# KiCad board sizif128.kicad_pcb (continued)
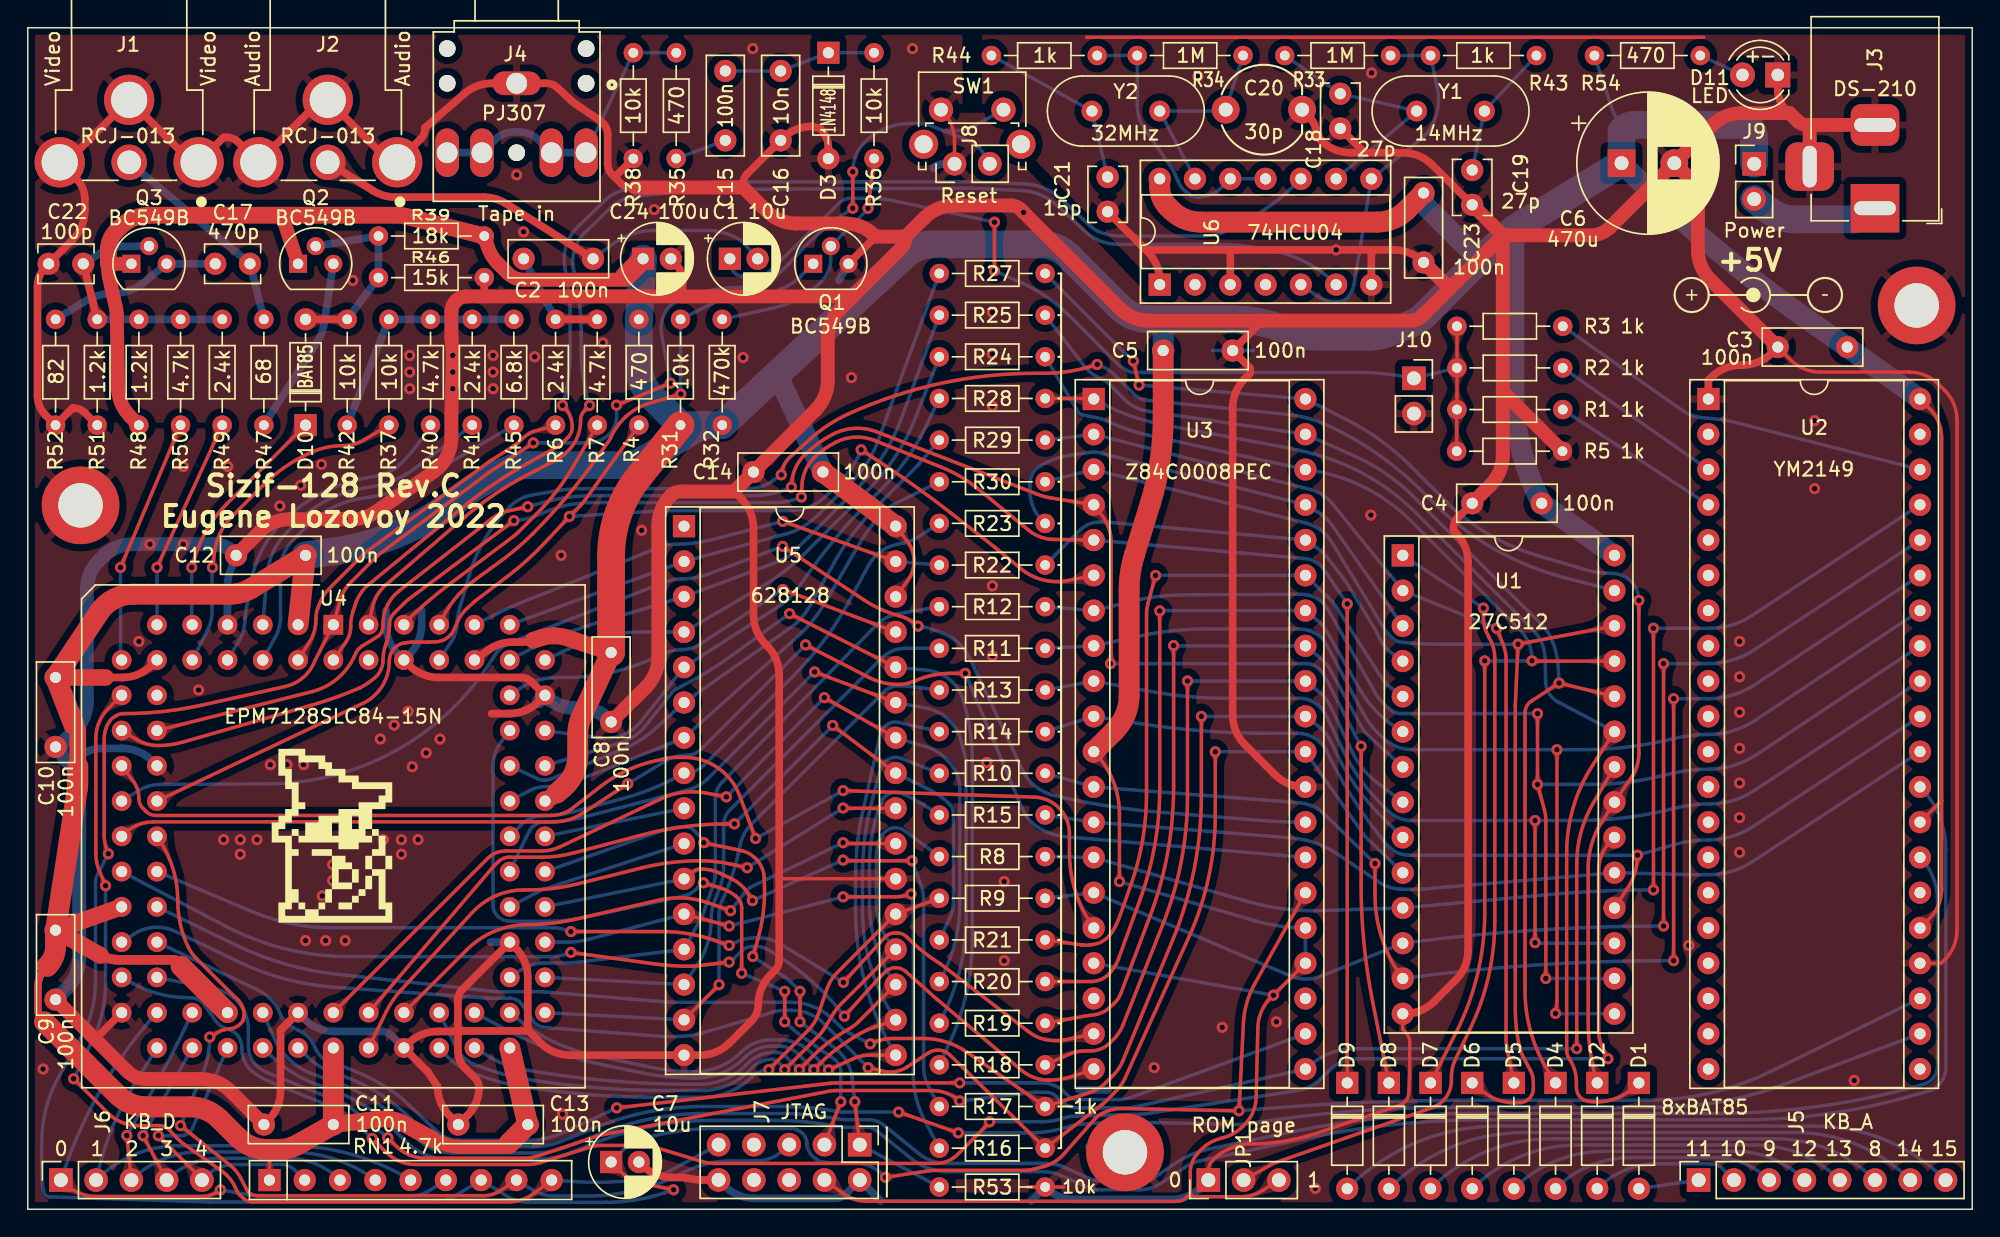
[diagram p0: board, top side]
## Copper pours and planes (outline as drawn; the poured copper is in the pictures) (continued)
nRST on Bottom: 67.47,76.94 67.72,76.82 67.91,76.7 68.06,76.57 68.17,76.42 68.25,76.26 68.31,76.09 68.35,75.9 68.37,75.69 68.42,75.21 69.49,74.94 69.58,76.09 69.32,76.2 69.11,76.3 68.93,76.41 68.77,76.51 68.62,76.61 68.46,76.71 68.29,76.82 68.09,76.93 67.85,77.05 67.56,77.17
nRST on Bottom: 37.59,55.32 37.45,55.33 37.32,55.33 37.22,55.34 37.12,55.35 37.04,55.37 36.95,55.39 36.87,55.42 36.78,55.46 36.69,55.51 36.57,55.56 36.2,55.2 36.57,54.84 36.69,54.89 36.78,54.94 36.87,54.98 36.95,55.01 37.04,55.03 37.12,55.05 37.22,55.06 37.32,55.07 37.45,55.07 37.59,55.07
nRST on Bottom: 59.51,75.95 59.45,75.8 59.32,75.48 59.29,75.4 59.25,75.31 59.21,75.23 59.17,75.14 59.12,75.04 59.05,74.92 59.39,74.52 59.77,74.88 59.73,74.99 59.69,75.08 59.66,75.17 59.64,75.26 59.63,75.34 59.63,75.42 59.64,75.51 59.66,75.61 59.69,75.72 59.74,75.85
nRST on Bottom: 44.24,5.2 43.89,5.1 43.6,5 43.36,4.89 43.15,4.78 42.96,4.67 42.78,4.57 42.58,4.46 42.37,4.36 42.11,4.27 41.8,4.17 41.72,3.12 42.76,3.14 42.85,3.42 42.94,3.68 43.02,3.91 43.12,4.12 43.22,4.31 43.36,4.48 43.52,4.62 43.73,4.75 43.99,4.87 44.3,4.96
nRST on Bottom: 29.22,0.4 29.7,0.43 30.11,0.5 30.45,0.6 30.74,0.72 31.01,0.85 31.28,0.98 31.55,1.1 31.86,1.2 32.22,1.27 32.65,1.3 32.98,2.31 31.97,2.54 31.74,2.19 31.54,1.87 31.34,1.59 31.13,1.34 30.92,1.14 30.68,0.97 30.4,0.83 30.07,0.73 29.68,0.67 29.22,0.65
nRST on Bottom: 58.29,71.2 58.44,71.3 58.56,71.39 58.67,71.46 58.77,71.51 58.86,71.56 58.96,71.6 59.06,71.63 59.18,71.66 59.3,71.68 59.45,71.7 59.57,72.21 59.06,72.3 58.98,72.17 58.9,72.06 58.83,71.97 58.76,71.89 58.69,71.82 58.61,71.74 58.52,71.67 58.41,71.59 58.15,71.4
nRST on Bottom: 35.99,0.63 35.54,0.66 35.16,0.72 34.83,0.82 34.56,0.96 34.33,1.13 34.12,1.34 33.92,1.58 33.73,1.86 33.53,2.18 33.32,2.53 32.3,2.31 32.62,1.3 33.04,1.27 33.39,1.19 33.69,1.09 33.97,0.97 34.22,0.84 34.49,0.71 34.78,0.59 35.11,0.49 35.51,0.41 35.98,0.38
nRST on Bottom: 60.75,2.92 60.87,2.85 60.97,2.79 61.05,2.73 61.12,2.67 61.17,2.6 61.22,2.53 61.26,2.46 61.3,2.37 61.33,2.27 61.38,2.16 61.9,2.16 61.87,2.68 61.75,2.72 61.64,2.76 61.55,2.8 61.46,2.83 61.38,2.87 61.3,2.91 61,3.07 60.86,3.14
nRST on Bottom: 88.39,7.32 88.24,7.31 88.12,7.3 88.01,7.3 87.92,7.31 87.83,7.32 87.75,7.33 87.66,7.36 87.57,7.38 87.47,7.42 87.35,7.46 87.01,7.07 87.42,6.75 87.52,6.81 87.62,6.87 87.7,6.91 87.78,6.95 87.86,6.98 87.95,7 88.04,7.03 88.14,7.04 88.27,7.06 88.41,7.07
nRST on Bottom: 134.15,14.02 134.41,14.14 134.64,14.23 134.84,14.3 135.03,14.35 135.2,14.37 135.38,14.39 135.56,14.39 135.76,14.39 135.98,14.38 136.24,14.38 136.6,15.36 135.61,15.67 135.45,15.47 135.32,15.29 135.2,15.13 135.08,14.99 134.97,14.86 134.84,14.74 134.69,14.62 134.51,14.5 134.3,14.38 134.04,14.24
nRST on Bottom: 45.09,0.82 45.28,0.87 45.43,0.92 45.57,0.95 45.69,0.98 45.8,1.01 45.91,1.02 46.03,1.03 46.15,1.03 46.29,1.02 46.45,1 46.69,1.46 46.22,1.69 46.1,1.58 46,1.48 45.9,1.41 45.81,1.34 45.71,1.29 45.61,1.24 45.5,1.2 45.36,1.16 45.21,1.11 45.03,1.07
nRST on Bottom: 5.36,24.49 5.43,24.61 5.49,24.72 5.55,24.81 5.6,24.89 5.66,24.96 5.72,25.02 5.78,25.08 5.85,25.14 5.94,25.2 6.04,25.28 5.89,25.78 5.4,25.61 5.4,25.49 5.39,25.38 5.38,25.28 5.37,25.2 5.36,25.11 5.33,25.03 5.3,24.94 5.26,24.84 5.2,24.73 5.14,24.6
nVRD on Top: 59.9,29 59.76,29.01 59.63,29.01 59.53,29.02 59.43,29.03 59.35,29.05 59.27,29.07 59.18,29.1 59.1,29.14 59,29.19 58.89,29.25 58.5,28.91 58.86,28.53 58.97,28.58 59.07,28.62 59.17,28.66 59.25,28.69 59.34,28.71 59.42,28.73 59.52,28.74 59.63,28.75 59.75,28.75 59.9,28.75
nVRD on Top: 60.1,28.75 60.39,28.75 60.64,28.73 60.85,28.7 61.03,28.66 61.2,28.61 61.36,28.55 61.53,28.47 61.71,28.38 61.91,28.28 62.14,28.16 62.89,28.88 62.14,29.6 61.91,29.48 61.71,29.38 61.53,29.29 61.36,29.21 61.2,29.15 61.03,29.1 60.85,29.06 60.64,29.03 60.39,29.01 60.1,29
nVRD on Top: 25.36,13.59 25.24,13.36 25.13,13.17 25.03,13.01 24.93,12.88 24.82,12.76 24.71,12.65 24.58,12.55 24.44,12.44 24.28,12.32 24.1,12.18 24.38,11.3 25.25,11.62 25.25,11.85 25.25,12.05 25.25,12.23 25.25,12.39 25.26,12.54 25.29,12.7 25.33,12.86 25.39,13.04 25.48,13.25 25.59,13.48
nVRD on Bottom: 52.74,25.34 52.62,25.26 52.51,25.2 52.42,25.15 52.33,25.11 52.25,25.08 52.17,25.06 52.08,25.04 51.99,25.02 51.88,25.01 51.76,25 51.63,24.49 52.14,24.39 52.2,24.49 52.26,24.58 52.32,24.66 52.37,24.73 52.43,24.79 52.49,24.85 52.57,24.91 52.65,24.98 52.75,25.05 52.88,25.12
nVRD on Bottom: 57.76,28.16 57.88,28.24 57.99,28.3 58.08,28.35 58.17,28.39 58.25,28.42 58.33,28.44 58.42,28.46 58.51,28.48 58.62,28.49 58.74,28.5 58.87,29.01 58.36,29.11 58.3,29.01 58.24,28.92 58.18,28.84 58.13,28.77 58.07,28.71 58.01,28.65 57.93,28.59 57.85,28.52 57.75,28.45 57.62,28.38
nVWR on Top: 55.52,44.34 55.39,44.39 55.27,44.43 55.18,44.48 55.09,44.52 55.02,44.57 54.95,44.62 54.88,44.68 54.81,44.75 54.74,44.82 54.65,44.91 54.18,44.71 54.4,44.24 54.52,44.25 54.63,44.26 54.73,44.26 54.81,44.26 54.9,44.25 54.99,44.24 55.08,44.22 55.18,44.19 55.3,44.15 55.43,44.1
nVWR on Top: 60.21,42.3 60.48,42.2 60.71,42.09 60.89,41.99 61.05,41.89 61.19,41.78 61.32,41.66 61.45,41.53 61.58,41.39 61.73,41.22 61.91,41.03 62.86,41.44 62.42,42.38 62.16,42.35 61.93,42.32 61.74,42.3 61.55,42.29 61.38,42.29 61.2,42.3 61.02,42.32 60.81,42.37 60.57,42.44 60.3,42.54
nVWR on Bottom: 53.44,43.88 53.56,43.96 53.67,44.02 53.76,44.07 53.84,44.11 53.92,44.14 54.01,44.17 54.09,44.19 54.19,44.21 54.29,44.22 54.42,44.24 54.53,44.75 54.02,44.84 53.96,44.74 53.9,44.64 53.85,44.56 53.79,44.49 53.74,44.43 53.68,44.37 53.6,44.3 53.52,44.24 53.42,44.17 53.3,44.09
nVWR on Bottom: 36.6,38.2 36.33,38.11 36.1,38.04 35.9,37.98 35.73,37.93 35.57,37.89 35.41,37.86 35.24,37.82 35.06,37.79 34.85,37.76 34.6,37.72 34.41,36.82 35.31,36.66 35.43,36.86 35.53,37.04 35.62,37.2 35.71,37.35 35.81,37.47 35.93,37.59 36.06,37.69 36.23,37.78 36.43,37.87 36.67,37.96
nWR on Top: 65.91,8.97 66.05,8.97 66.18,8.97 66.28,8.96 66.38,8.95 66.46,8.93 66.55,8.91 66.63,8.88 66.72,8.84 66.81,8.79 66.93,8.74 67.3,9.1 66.93,9.46 66.81,9.41 66.72,9.36 66.63,9.32 66.55,9.29 66.46,9.27 66.38,9.25 66.28,9.24 66.18,9.23 66.05,9.23 65.91,9.22
nWR on Bottom: 41.37,6.69 41.5,6.75 41.62,6.79 41.72,6.83 41.81,6.86 41.89,6.88 41.98,6.89 42.07,6.9 42.16,6.9 42.27,6.9 42.39,6.9 42.58,7.38 42.09,7.55 42.01,7.46 41.94,7.38 41.88,7.3 41.82,7.24 41.75,7.19 41.68,7.13 41.6,7.08 41.51,7.03 41.4,6.98 41.27,6.91
nWR on Bottom: 68.29,9.22 68.15,9.23 68.02,9.23 67.92,9.24 67.82,9.25 67.74,9.27 67.65,9.29 67.57,9.32 67.48,9.36 67.39,9.41 67.27,9.46 66.9,9.1 67.27,8.74 67.39,8.79 67.48,8.84 67.57,8.88 67.65,8.91 67.74,8.93 67.82,8.95 67.92,8.96 68.02,8.97 68.15,8.97 68.29,8.97
nWR on Bottom: 11.28,18.44 11.05,18.55 10.85,18.66 10.69,18.76 10.56,18.87 10.44,18.97 10.33,19.08 10.23,19.21 10.12,19.35 10,19.5 9.85,19.69 8.98,19.39 9.31,18.53 9.54,18.53 9.74,18.54 9.91,18.54 10.08,18.54 10.23,18.53 10.39,18.5 10.55,18.46 10.73,18.4 10.93,18.32 11.17,18.21
nWR on Bottom: 89.79,11.7 90.06,11.8 90.3,11.87 90.51,11.91 90.7,11.94 90.87,11.95 91.05,11.94 91.23,11.92 91.43,11.9 91.65,11.87 91.91,11.84 92.37,12.78 91.42,13.2 91.24,13.01 91.08,12.84 90.95,12.7 90.82,12.57 90.69,12.45 90.55,12.34 90.39,12.24 90.2,12.14 89.98,12.04 89.7,11.94
RA14 on Top: 75.88,60.4 76.02,60.43 76.14,60.46 76.25,60.48 76.35,60.49 76.44,60.5 76.52,60.5 76.61,60.49 76.71,60.48 76.82,60.47 76.94,60.45 77.19,60.91 76.72,61.14 76.63,61.05 76.56,60.98 76.48,60.92 76.41,60.87 76.34,60.82 76.26,60.78 76.18,60.74 76.08,60.71 75.96,60.68 75.82,60.64
RA14 on Top: 54.61,54.08 54.51,53.95 54.43,53.85 54.37,53.75 54.31,53.67 54.21,53.51 54.15,53.43 54.1,53.35 54.03,53.26 53.94,53.15 54.2,52.7 54.64,52.98 54.62,53.09 54.6,53.2 54.58,53.29 54.57,53.38 54.58,53.46 54.59,53.54 54.62,53.63 54.66,53.72 54.73,53.81 54.81,53.92
RA14 on Bottom: 52.9,51.95 53.09,52.02 53.26,52.09 53.4,52.16 53.52,52.22 53.63,52.28 53.74,52.34 53.86,52.39 53.99,52.43 54.13,52.47 54.31,52.5 54.41,53.01 53.9,53.09 53.82,52.95 53.74,52.82 53.66,52.71 53.58,52.61 53.5,52.53 53.4,52.45 53.29,52.38 53.16,52.32 53,52.25 52.81,52.18
RA14 on Bottom: 111.89,45.04 112.18,44.96 112.41,44.88 112.61,44.8 112.78,44.71 112.93,44.62 113.07,44.52 113.21,44.4 113.36,44.27 113.53,44.12 113.72,43.95 114.63,44.46 114.08,45.34 113.83,45.29 113.61,45.24 113.41,45.2 113.23,45.17 113.06,45.14 112.89,45.13 112.7,45.14 112.49,45.17 112.24,45.21 111.96,45.28
RA14 on Bottom: 30.77,42.28 30.77,41.92 30.73,41.62 30.66,41.36 30.55,41.14 30.41,40.96 30.23,40.79 30.03,40.64 29.8,40.49 29.54,40.34 29.26,40.17 29.42,39.26 30.33,39.59 30.34,39.93 30.39,40.21 30.47,40.45 30.57,40.67 30.68,40.88 30.79,41.09 30.89,41.33 30.97,41.59 31.02,41.91 31.02,42.29
RA14 on Bottom: 78.13,60.38 78.01,60.47 77.74,60.69 77.67,60.74 77.6,60.8 77.54,60.86 77.47,60.93 77.39,61.02 77.3,61.11 76.82,60.93 77.02,60.45 77.14,60.46 77.25,60.46 77.34,60.46 77.43,60.46 77.51,60.44 77.59,60.42 77.68,60.38 77.77,60.33 77.86,60.27 77.97,60.18
Red on Bottom: 27.9,54.67 28.07,54.87 28.22,55.04 28.35,55.18 28.47,55.29 28.6,55.39 28.72,55.48 28.86,55.57 29.01,55.66 29.18,55.77 29.37,55.89 29.19,56.78 28.3,56.55 28.28,56.33 28.26,56.14 28.25,55.96 28.22,55.81 28.19,55.66 28.14,55.51 28.07,55.36 27.98,55.21 27.86,55.03 27.71,54.83
Red on Bottom: 15.5,42.3 15.46,41.94 15.4,41.63 15.32,41.38 15.21,41.16 15.07,40.97 14.91,40.8 14.72,40.65 14.51,40.49 14.26,40.33 13.99,40.15 14.2,39.25 15.09,39.51 15.13,39.86 15.18,40.14 15.25,40.39 15.33,40.62 15.42,40.83 15.5,41.05 15.58,41.29 15.65,41.57 15.71,41.89 15.75,42.28
SOUND on Top: 24.98,73.61 24.59,73.87 24.27,74.09 24,74.31 23.78,74.51 23.59,74.72 23.42,74.93 23.25,75.17 23.08,75.44 22.9,75.74 22.68,76.09 21.06,75.75 21.46,74.14 21.87,74.1 22.22,74.06 22.53,74.03 22.82,73.98 23.09,73.92 23.36,73.84 23.64,73.73 23.94,73.58 24.29,73.39 24.69,73.15
SOUND on Top: 38.53,69.51 38.78,69.35 38.98,69.21 39.16,69.09 39.3,68.97 39.43,68.85 39.55,68.72 39.66,68.58 39.77,68.43 39.89,68.25 40.02,68.04 41.04,68.25 40.79,69.25 40.55,69.28 40.33,69.31 40.15,69.35 39.97,69.39 39.81,69.44 39.65,69.51 39.48,69.59 39.29,69.69 39.07,69.82 38.83,69.97
SOUND on Bottom: 43.43,70.35 43.03,70.21 42.7,70.07 42.41,69.95 42.17,69.83 41.94,69.71 41.72,69.61 41.48,69.51 41.22,69.41 40.91,69.33 40.54,69.24 40.38,68.22 41.41,68.1 41.58,68.42 41.72,68.7 41.86,68.95 42.01,69.17 42.16,69.36 42.34,69.53 42.56,69.69 42.82,69.84 43.13,69.98 43.51,70.12
SOUND on Bottom: 50.43,70.11 50.72,69.99 50.96,69.87 51.15,69.73 51.3,69.58 51.41,69.41 51.5,69.22 51.57,69.01 51.64,68.78 51.71,68.53 51.78,68.25 52.81,68.16 52.8,69.22 52.51,69.33 52.27,69.43 52.06,69.54 51.88,69.65 51.71,69.76 51.53,69.88 51.33,69.99 51.11,70.1 50.84,70.22 50.5,70.34
TAPE_IN on Bottom: 32.54,76.33 32.33,76.16 32.13,76.07 31.94,76.06 31.76,76.1 31.58,76.18 31.39,76.3 31.2,76.45 31.01,76.59 30.8,76.74 30.57,76.86 29.78,76.1 30.8,75.5 31,75.65 31.2,75.72 31.4,75.74 31.61,75.72 31.82,75.68 32.04,75.64 32.25,75.63 32.48,75.66 32.7,75.76 32.93,75.94
TAPE_IN on Bottom: 42.82,81.36 42.93,81.59 43.04,81.78 43.14,81.93 43.24,82.06 43.34,82.18 43.45,82.28 43.57,82.39 43.71,82.49 43.86,82.61 44.04,82.76 43.75,83.62 42.9,83.29 42.9,83.07 42.91,82.87 42.91,82.7 42.91,82.54 42.9,82.39 42.88,82.24 42.84,82.07 42.78,81.9 42.7,81.7 42.59,81.46
TAPE_IN on Bottom: 37.47,75.94 37.7,75.76 37.92,75.66 38.15,75.63 38.36,75.64 38.58,75.68 38.79,75.72 39,75.74 39.2,75.72 39.4,75.65 39.6,75.5 40.62,76.1 39.83,76.86 39.6,76.74 39.39,76.59 39.2,76.45 39.01,76.3 38.82,76.18 38.64,76.1 38.46,76.06 38.27,76.07 38.07,76.16 37.86,76.33
TAPE_IN on Bottom: 41.17,78.45 41.03,78.17 40.9,77.94 40.78,77.75 40.66,77.59 40.53,77.46 40.39,77.33 40.24,77.21 40.08,77.08 39.88,76.93 39.67,76.76 40.02,75.72 41.05,76.11 41.04,76.39 41.04,76.63 41.03,76.84 41.03,77.03 41.04,77.22 41.06,77.4 41.11,77.6 41.18,77.81 41.27,78.06 41.4,78.34
TAPE_IN on Bottom: 39.97,76.26 39.84,76.05 39.68,75.94 39.52,75.92 39.34,75.98 39.15,76.09 38.95,76.23 38.74,76.4 38.52,76.57 38.3,76.73 38.07,76.86 37.28,76.1 38.47,75.74 38.6,75.91 38.78,75.98 38.98,75.97 39.21,75.91 39.45,75.83 39.68,75.75 39.92,75.71 40.13,75.72 40.32,75.82 40.47,76.03
TAPE_IN on Bottom: 44.59,83.17 44.84,83.17 45.06,83.16 45.25,83.13 45.41,83.1 45.56,83.06 45.7,83 45.84,82.94 46,82.86 46.18,82.77 46.38,82.67 47.04,83.3 46.38,83.93 46.18,83.83 46,83.74 45.84,83.66 45.7,83.6 45.56,83.54 45.41,83.5 45.25,83.47 45.06,83.44 44.84,83.43 44.59,83.42
TAPE_IN on Bottom: 35.26,77.32 35.57,77.32 35.83,77.28 36.04,77.2 36.23,77.08 36.38,76.93 36.51,76.76 36.62,76.55 36.71,76.33 36.81,76.08 36.9,75.82 38,75.8 37.65,76.95 37.34,76.96 37.09,77.02 36.88,77.13 36.69,77.27 36.51,77.41 36.32,77.56 36.11,77.69 35.87,77.8 35.58,77.86 35.22,77.87
TAPE_IN on Bottom: 35.18,77.87 34.82,77.86 34.53,77.8 34.29,77.69 34.08,77.56 33.89,77.41 33.71,77.27 33.52,77.13 33.31,77.02 33.06,76.96 32.75,76.95 32.4,75.8 33.5,75.82 33.59,76.08 33.69,76.33 33.78,76.55 33.89,76.76 34.02,76.93 34.17,77.08 34.36,77.2 34.57,77.28 34.83,77.32 35.14,77.32
TAPE_IN on Bottom: 30.21,75.82 30.51,75.82 30.76,75.82 30.99,75.8 31.18,75.78 31.36,75.74 31.54,75.7 31.71,75.64 31.89,75.56 32.08,75.46 32.3,75.35 33.12,76.1 32.3,76.85 32.08,76.74 31.89,76.64 31.71,76.56 31.54,76.5 31.36,76.46 31.18,76.42 30.99,76.4 30.76,76.38 30.51,76.38 30.21,76.38
TAPE_IN on Bottom: 45.7,83.42 45.44,83.43 45.23,83.44 45.04,83.47 44.88,83.5 44.73,83.54 44.59,83.6 44.44,83.66 44.29,83.74 44.11,83.83 43.91,83.93 43.25,83.3 43.91,82.67 44.11,82.77 44.29,82.86 44.44,82.94 44.59,83 44.73,83.06 44.88,83.1 45.04,83.13 45.23,83.16 45.44,83.17 45.7,83.17
TAPE_IN0 on Top: 30.63,44.01 30.46,43.8 30.31,43.62 30.17,43.48 30.05,43.35 29.93,43.25 29.81,43.14 29.68,43.04 29.37,42.81 29.18,42.66 29.46,41.78 30.33,42.1 30.33,42.32 30.33,42.52 30.33,42.69 30.34,42.86 30.36,43.01 30.4,43.16 30.47,43.31 30.55,43.47 30.67,43.65 30.82,43.85
TAPE_IN0 on Top: 45.91,58.26 46.05,58.3 46.17,58.33 46.28,58.36 46.37,58.37 46.46,58.38 46.54,58.38 46.63,58.37 46.73,58.36 46.83,58.35 46.96,58.33 47.21,58.78 46.75,59.02 46.66,58.93 46.58,58.86 46.51,58.8 46.43,58.75 46.36,58.7 46.28,58.66 46.2,58.62 46.1,58.59 45.98,58.55 45.84,58.5
TAPE_IN0 on Bottom: 54.67,66.34 54.96,66.49 55.2,66.63 55.4,66.76 55.58,66.88 55.74,66.99 55.91,67.09 56.08,67.19 56.27,67.29 56.49,67.39 56.76,67.49 56.78,68.33 55.94,68.31 55.85,68.05 55.76,67.82 55.68,67.62 55.6,67.44 55.5,67.28 55.38,67.13 55.23,66.99 55.05,66.85 54.83,66.71 54.56,66.56
TAPE_IN0 on Bottom: 47.12,62.01 47.13,62.27 47.14,62.48 47.17,62.67 47.2,62.83 47.24,62.98 47.3,63.12 47.36,63.26 47.44,63.42 47.53,63.59 47.63,63.79 47,64.45 46.37,63.79 46.47,63.59 46.56,63.42 46.64,63.26 46.7,63.12 46.76,62.98 46.8,62.83 46.83,62.67 46.86,62.48 46.87,62.27 46.88,62.01
TAPE_IN0 on Bottom: 46.88,59.92 46.87,59.77 46.87,59.65 46.86,59.54 46.85,59.44 46.83,59.36 46.81,59.27 46.78,59.19 46.74,59.1 46.7,58.99 46.65,58.88 47.03,58.52 47.37,58.91 47.31,59.02 47.26,59.12 47.22,59.2 47.19,59.29 47.17,59.37 47.15,59.45 47.14,59.55 47.13,59.66 47.13,59.78 47.12,59.92
TAPE_IN0 on Bottom: 48.81,65.15 48.58,65.04 48.38,64.95 48.21,64.89 48.05,64.85 47.9,64.82 47.75,64.81 47.59,64.8 47.41,64.8 47.22,64.8 46.99,64.8 46.69,63.94 47.55,63.67 47.69,63.85 47.81,64.01 47.91,64.15 48.01,64.27 48.12,64.38 48.23,64.49 48.36,64.59 48.51,64.7 48.7,64.8 48.93,64.92
TAPE_OUT on Top: 28.52,43.7 28.31,43.52 28.13,43.38 27.97,43.27 27.82,43.18 27.68,43.11 27.54,43.05 27.38,42.98 27.21,42.92 27.02,42.85 26.8,42.75 26.85,41.83 27.77,41.91 27.82,42.13 27.88,42.32 27.93,42.49 27.98,42.64 28.04,42.78 28.12,42.91 28.22,43.04 28.34,43.18 28.5,43.34 28.68,43.51
TAPE_OUT on Top: 40.06,54.61 40.19,54.83 40.31,55.01 40.43,55.16 40.54,55.28 40.65,55.38 40.77,55.48 40.89,55.57 41.04,55.67 41.2,55.77 41.39,55.9 41.18,56.78 40.3,56.53 40.29,56.31 40.28,56.11 40.26,55.94 40.25,55.78 40.22,55.63 40.19,55.48 40.14,55.32 40.06,55.15 39.97,54.96 39.84,54.73
TCK on Top: 55.47,14.69 55.47,14.55 55.47,14.42 55.46,14.32 55.45,14.22 55.43,14.14 55.41,14.05 55.38,13.97 55.34,13.88 55.29,13.79 55.24,13.67 55.6,13.3 55.96,13.67 55.91,13.79 55.86,13.88 55.82,13.97 55.79,14.05 55.77,14.14 55.75,14.22 55.74,14.32 55.73,14.42 55.73,14.55 55.72,14.69
TCK on Top: 59.49,7.16 59.52,6.85 59.53,6.59 59.52,6.36 59.5,6.16 59.47,5.98 59.42,5.8 59.35,5.62 59.28,5.42 59.19,5.19 59.1,4.93 59.95,4.23 60.62,5.1 60.47,5.34 60.33,5.54 60.22,5.71 60.12,5.88 60.03,6.04 59.95,6.21 59.88,6.4 59.83,6.62 59.78,6.88 59.74,7.19
TCK on Top: 52.41,19.38 52.37,19.24 52.33,19.12 52.29,19.02 52.26,18.94 52.21,18.86 52.17,18.79 52.12,18.72 52.06,18.64 51.99,18.56 51.9,18.47 52.14,18.01 52.59,18.27 52.57,18.39 52.56,18.5 52.55,18.59 52.54,18.68 52.54,18.76 52.55,18.85 52.56,18.95 52.58,19.05 52.61,19.17 52.65,19.31
TCK on Top: 55.72,14.51 55.73,14.65 55.73,14.78 55.74,14.88 55.75,14.98 55.77,15.06 55.79,15.15 55.82,15.23 55.86,15.32 55.91,15.41 55.96,15.53 55.6,15.9 55.24,15.53 55.29,15.41 55.34,15.32 55.38,15.23 55.41,15.15 55.43,15.06 55.45,14.98 55.46,14.88 55.47,14.78 55.47,14.65 55.47,14.51
TCK on Bottom: 47.28,27.42 47.48,27.42 47.66,27.38 47.81,27.32 47.94,27.24 48.04,27.14 48.13,27.02 48.19,26.89 48.24,26.74 48.26,26.57 48.28,26.39 48.77,26.22 48.67,26.8 48.48,26.82 48.33,26.89 48.21,26.99 48.11,27.11 48.02,27.24 47.92,27.37 47.81,27.49 47.67,27.59 47.49,27.65 47.27,27.67
TCK on Bottom: 56.63,12.88 56.51,12.97 56.42,13.05 56.34,13.12 56.27,13.19 56.21,13.25 56.16,13.32 56.11,13.39 56.06,13.48 56.01,13.57 55.96,13.68 55.44,13.62 55.52,13.11 55.64,13.08 55.75,13.06 55.84,13.04 55.93,13.01 56.01,12.98 56.09,12.94 56.17,12.9 56.26,12.84 56.36,12.77 56.47,12.68
TCK on Bottom: 54.26,16.72 54.44,16.62 54.59,16.52 54.71,16.42 54.82,16.33 54.91,16.23 54.98,16.13 55.04,16.02 55.1,15.89 55.16,15.74 55.22,15.57 55.74,15.56 55.73,16.08 55.56,16.15 55.41,16.22 55.29,16.29 55.18,16.36 55.07,16.44 54.97,16.53 54.86,16.62 54.73,16.72 54.57,16.83 54.38,16.94
TCK on Bottom: 53.27,17.66 53.15,17.74 53.05,17.81 52.96,17.88 52.89,17.94 52.83,18 52.77,18.06 52.72,18.13 52.66,18.21 52.61,18.3 52.54,18.41 52.03,18.31 52.15,17.8 52.27,17.79 52.38,17.77 52.48,17.76 52.56,17.74 52.64,17.71 52.73,17.68 52.81,17.64 52.91,17.59 53.01,17.53 53.13,17.45
TCK on Bottom: 39.21,25.14 38.96,25.06 38.75,25 38.56,24.96 38.4,24.94 38.24,24.93 38.09,24.94 37.92,24.95 37.75,24.97 37.55,25 37.32,25.03 36.9,24.2 37.74,23.82 37.91,23.98 38.04,24.13 38.17,24.25 38.29,24.37 38.4,24.47 38.53,24.56 38.68,24.65 38.85,24.73 39.05,24.82 39.29,24.91
TCK on Bottom: 63.73,2.47 63.95,2.35 64.13,2.23 64.29,2.13 64.41,2.02 64.52,1.91 64.62,1.8 64.72,1.67 64.82,1.53 64.93,1.37 65.06,1.19 65.94,1.44 65.66,2.3 65.43,2.31 65.23,2.31 65.06,2.32 64.9,2.33 64.75,2.34 64.6,2.37 64.44,2.42 64.27,2.49 64.07,2.58 63.84,2.69
TCK on Bottom: 62.2,3.57 61.93,3.72 61.71,3.86 61.52,3.99 61.37,4.12 61.24,4.26 61.12,4.4 61.01,4.55 60.88,4.73 60.75,4.93 60.59,5.15 59.52,4.85 59.87,3.8 60.15,3.79 60.39,3.79 60.6,3.79 60.79,3.78 60.98,3.76 61.16,3.72 61.35,3.67 61.57,3.59 61.81,3.49 62.08,3.35
TDI on Top: 4.23,8.65 4.13,8.75 4.04,8.84 3.98,8.92 3.92,9 3.87,9.07 3.83,9.14 3.79,9.22 3.76,9.31 3.72,9.41 3.68,9.53 3.16,9.54 3.17,9.02 3.29,8.98 3.39,8.94 3.48,8.91 3.56,8.87 3.63,8.83 3.7,8.78 3.78,8.72 3.86,8.66 3.95,8.57 4.05,8.47
TDI on Top: 5.03,24.35 5.09,24.22 5.13,24.1 5.16,24 5.18,23.91 5.2,23.82 5.21,23.74 5.21,23.65 5.21,23.56 5.21,23.45 5.2,23.32 5.68,23.12 5.87,23.6 5.77,23.68 5.7,23.75 5.63,23.82 5.57,23.89 5.51,23.95 5.47,24.03 5.42,24.11 5.37,24.2 5.32,24.32 5.26,24.45
TDI on Top: 34.97,0.42 35.37,0.48 35.71,0.56 35.99,0.66 36.23,0.76 36.46,0.87 36.67,0.98 36.9,1.08 37.16,1.17 37.45,1.25 37.81,1.3 38.04,2.34 37.01,2.47 36.85,2.16 36.71,1.88 36.58,1.63 36.43,1.41 36.28,1.22 36.1,1.06 35.88,0.92 35.63,0.81 35.32,0.73 34.94,0.67
TDI on Top: 5.16,34.8 5.28,35.11 5.4,35.36 5.53,35.57 5.68,35.74 5.84,35.87 6.02,35.98 6.23,36.08 6.46,36.16 6.71,36.25 6.99,36.35 7.01,37.27 6.08,37.24 5.98,36.94 5.87,36.69 5.75,36.48 5.64,36.29 5.52,36.11 5.4,35.93 5.29,35.73 5.17,35.5 5.05,35.22 4.93,34.87
TDI on Bottom: 3.71,10.52 3.65,10.39 3.59,10.29 3.53,10.19 3.48,10.12 3.43,10.05 3.37,9.98 3.31,9.92 3.23,9.86 3.15,9.79 3.05,9.71 3.21,9.22 3.7,9.4 3.7,9.52 3.7,9.63 3.71,9.73 3.72,9.81 3.73,9.9 3.75,9.98 3.78,10.07 3.82,10.17 3.87,10.28 3.94,10.41
TDI on Bottom: 47.56,3.34 47.84,3.48 48.08,3.59 48.29,3.66 48.48,3.72 48.67,3.75 48.85,3.77 49.05,3.78 49.26,3.79 49.5,3.79 49.78,3.8 50.11,4.85 49.05,5.15 48.89,4.92 48.76,4.72 48.63,4.55 48.52,4.39 48.4,4.25 48.27,4.12 48.12,3.98 47.94,3.85 47.72,3.71 47.44,3.56
TDI on Bottom: 41.07,2.06 40.65,2.06 40.29,2.07 39.98,2.09 39.71,2.13 39.46,2.18 39.22,2.25 38.98,2.34 38.72,2.46 38.44,2.61 38.12,2.8 37.32,2.13 38.02,1.36 38.37,1.5 38.67,1.6 38.94,1.68 39.19,1.74 39.44,1.77 39.69,1.8 39.97,1.81 40.28,1.81 40.64,1.81 41.07,1.81
TDI on Bottom: 5.72,22.11 5.73,22.25 5.73,22.38 5.74,22.48 5.75,22.58 5.77,22.66 5.79,22.75 5.82,22.83 5.86,22.92 5.91,23.01 5.96,23.13 5.6,23.5 5.24,23.13 5.29,23.01 5.34,22.92 5.38,22.83 5.41,22.75 5.43,22.66 5.45,22.58 5.46,22.48 5.47,22.38 5.47,22.25 5.47,22.11
TDO on Top: 58.15,7.07 58.03,6.78 57.92,6.54 57.81,6.34 57.7,6.18 57.58,6.03 57.46,5.89 57.32,5.76 57.16,5.62 56.98,5.46 56.78,5.27 57.21,4.25 58.21,4.72 58.18,5 58.15,5.24 58.13,5.45 58.11,5.64 58.11,5.83 58.12,6.02 58.15,6.21 58.2,6.43 58.28,6.69 58.38,6.98
TDO on Top: 49.82,23.29 49.68,23.33 49.56,23.37 49.46,23.41 49.38,23.45 49.3,23.49 49.23,23.54 49.16,23.59 49.08,23.65 49,23.72 48.91,23.81 48.45,23.57 48.7,23.12 48.83,23.14 48.93,23.15 49.03,23.16 49.12,23.17 49.2,23.17 49.29,23.16 49.38,23.14 49.49,23.12 49.6,23.09 49.74,23.05
TDO on Top: 54.62,14.51 54.63,14.65 54.63,14.78 54.64,14.88 54.65,14.98 54.67,15.06 54.69,15.15 54.72,15.23 54.76,15.32 54.81,15.41 54.86,15.53 54.5,15.9 54.14,15.53 54.19,15.41 54.24,15.32 54.28,15.23 54.31,15.15 54.33,15.06 54.35,14.98 54.36,14.88 54.37,14.78 54.37,14.65 54.38,14.51
TDO on Top: 54.38,14.69 54.37,14.55 54.37,14.42 54.36,14.32 54.35,14.22 54.33,14.14 54.31,14.05 54.28,13.97 54.24,13.88 54.19,13.79 54.14,13.67 54.5,13.3 54.86,13.67 54.81,13.79 54.76,13.88 54.72,13.97 54.69,14.05 54.67,14.14 54.65,14.22 54.64,14.32 54.63,14.42 54.63,14.55 54.62,14.69
TDO on Top: 58.23,6.59 58.29,6.73 58.33,6.84 58.38,6.94 58.42,7.02 58.47,7.09 58.52,7.16 58.58,7.23 58.65,7.3 58.72,7.37 58.81,7.46 58.61,7.94 58.14,7.72 58.15,7.59 58.16,7.48 58.16,7.39 58.16,7.3 58.15,7.21 58.14,7.13 58.12,7.04 58.09,6.93 58.05,6.82 58,6.68
TDO on Top: 51.28,18.19 51.27,18.05 51.27,17.92 51.26,17.82 51.25,17.72 51.23,17.64 51.21,17.55 51.18,17.47 51.14,17.38 51.09,17.29 51.04,17.17 51.4,16.8 51.76,17.17 51.71,17.29 51.66,17.38 51.62,17.47 51.59,17.55 51.57,17.64 51.55,17.72 51.54,17.82 51.53,17.92 51.53,18.05 51.53,18.19
TDO on Bottom: 47.69,22.59 47.83,22.67 47.95,22.74 48.05,22.8 48.22,22.91 48.3,22.96 48.39,23.01 48.49,23.05 48.6,23.09 48.73,23.12 48.8,23.64 48.28,23.68 48.22,23.56 48.18,23.45 48.13,23.35 48.09,23.26 48.04,23.18 47.98,23.11 47.91,23.03 47.82,22.96 47.71,22.89 47.58,22.82
TDO on Bottom: 52.55,16.66 52.41,16.71 52.3,16.76 52.21,16.81 52.13,16.86 52.05,16.91 51.99,16.96 51.92,17.02 51.85,17.09 51.78,17.17 51.7,17.26 51.22,17.08 51.42,16.6 51.55,16.61 51.65,16.61 51.75,16.61 51.84,16.61 51.92,16.6 52.01,16.58 52.1,16.56 52.2,16.52 52.32,16.48 52.45,16.42
TDO on Bottom: 55.71,12.63 55.56,12.74 55.43,12.83 55.33,12.92 55.24,13 55.17,13.09 55.1,13.18 55.04,13.27 54.99,13.38 54.93,13.5 54.87,13.65 54.35,13.63 54.39,13.12 54.54,13.07 54.67,13.02 54.78,12.97 54.88,12.92 54.97,12.86 55.07,12.79 55.17,12.72 55.41,12.54 55.56,12.43
TDO on Bottom: 58.41,8.94 58.41,8.8 58.41,8.67 58.4,8.57 58.39,8.47 58.37,8.39 58.35,8.3 58.32,8.22 58.28,8.13 58.23,8.04 58.18,7.92 58.54,7.55 58.9,7.92 58.85,8.04 58.8,8.13 58.76,8.22 58.73,8.3 58.71,8.39 58.69,8.47 58.68,8.57 58.67,8.67 58.67,8.8 58.66,8.94
TDO on Bottom: 33.67,32.39 33.73,32.66 33.8,32.88 33.89,33.06 34,33.21 34.12,33.34 34.26,33.44 34.42,33.54 34.6,33.64 34.8,33.74 35.02,33.85 34.92,34.76 34,34.6 33.95,34.34 33.89,34.11 33.84,33.92 33.78,33.74 33.72,33.57 33.66,33.4 33.6,33.21 33.54,32.99 33.48,32.74 33.42,32.44
TDO on Bottom: 53.35,16.04 53.49,15.99 53.6,15.94 53.69,15.89 53.77,15.84 53.85,15.79 53.91,15.74 53.98,15.68 54.05,15.61 54.12,15.53 54.2,15.44 54.68,15.62 54.48,16.1 54.35,16.09 54.25,16.09 54.15,16.09 54.06,16.09 53.98,16.1 53.89,16.12 53.8,16.14 53.7,16.18 53.58,16.22 53.45,16.28
TMS on Top: 14.15,13.06 14,13.03 13.87,13 13.76,12.97 13.67,12.94 13.5,12.88 13.41,12.85 13.31,12.83 13.2,12.81 13.07,12.8 12.93,12.3 13.43,12.17 13.5,12.27 13.61,12.45 13.66,12.53 13.72,12.59 13.78,12.65 13.85,12.7 13.94,12.75 14.05,12.78 14.19,12.81
TMS on Top: 12.01,5.38 11.9,5.47 11.8,5.55 11.72,5.62 11.66,5.69 11.6,5.76 11.55,5.83 11.51,5.9 11.46,5.99 11.41,6.08 11.36,6.2 10.84,6.15 10.91,5.63 11.03,5.61 11.14,5.58 11.23,5.55 11.31,5.53 11.39,5.49 11.47,5.45 11.55,5.41 11.64,5.35 11.74,5.27 11.85,5.18
